# KiCad board Leopold Replacement.kicad_pcb (continued)
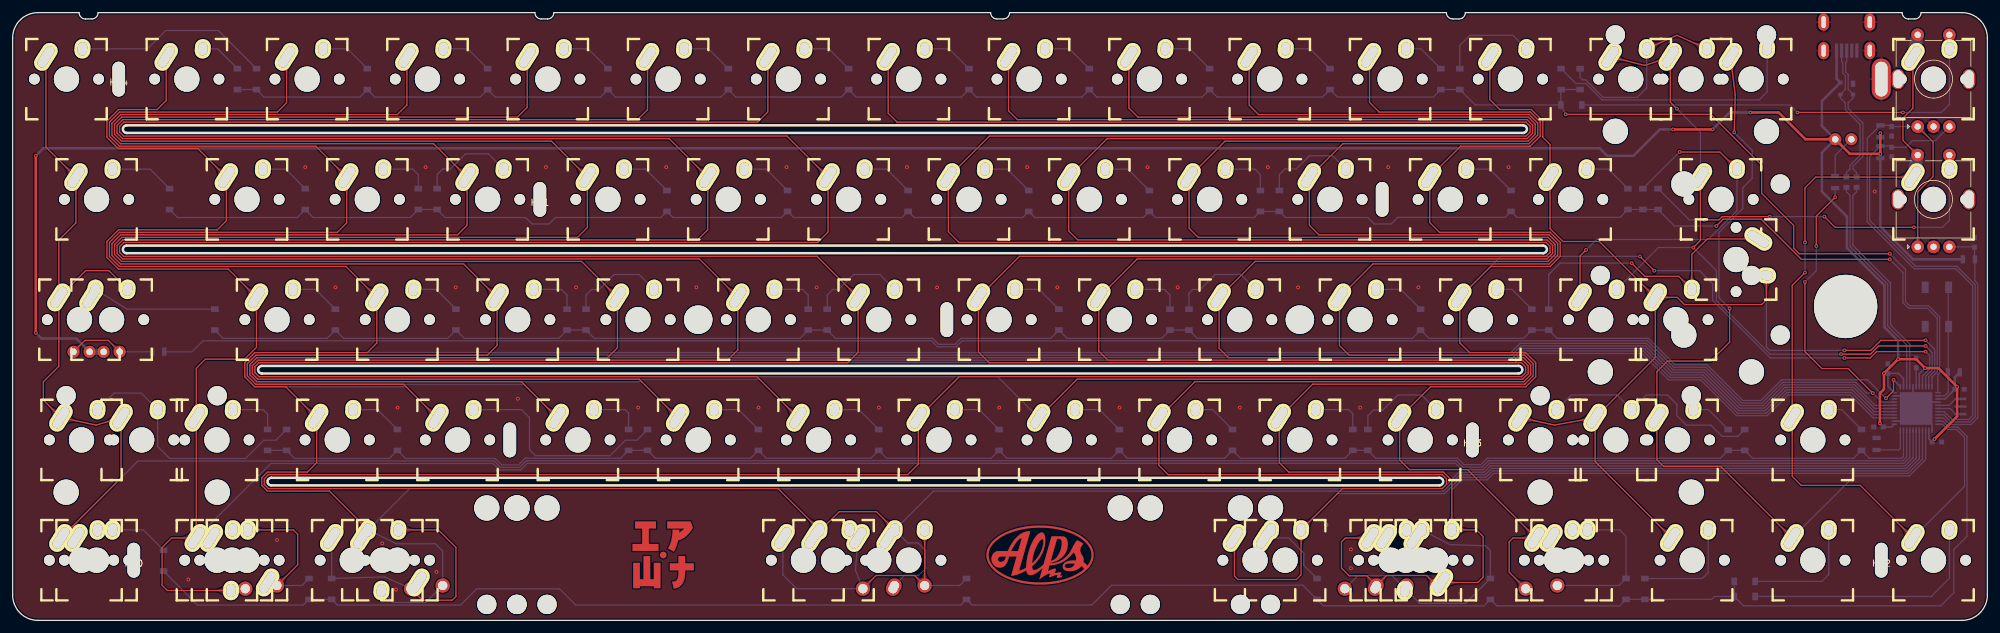
[diagram p0: board, top side]
## Copper pours and planes (outline as drawn; the poured copper is in the pictures) (continued)
Col3 on Top: 69.75,71.95 69.8,71.89 69.85,71.84 69.9,71.79 69.95,71.73 69.99,71.67 70.04,71.62 70.08,71.56 70.12,71.5 70.16,71.44 70.19,71.39 70.23,71.33 70.26,71.27 70.29,71.2 70.32,71.14 70.34,71.08 70.37,71.02 70.39,70.95 70.41,70.89 70.43,70.82 70.45,70.76 70.47,70.69 70.48,70.63 70.5,70.56 70.51,70.49 70.52,70.42 70.52,70.35 70.53,70.28 70.53,70.21 70.53,70.14 70.54,70.07 72.23,69.61 71.77,71.31 71.7,71.31 71.63,71.31 71.56,71.31 71.49,71.32 71.42,71.32 71.35,71.33 71.28,71.34 71.21,71.36 71.15,71.37 71.08,71.39 71.02,71.41 70.95,71.43 70.89,71.45 70.82,71.47 70.76,71.5 70.7,71.52 70.64,71.55 70.57,71.58 70.51,71.61 70.45,71.65 70.4,71.68 70.34,71.72 70.28,71.76 70.22,71.8 70.17,71.85 70.11,71.89 70.05,71.94 70,71.99 69.95,72.04 69.89,72.09
Col3 on Top: 62.38,86.29 62.38,86.36 62.38,86.44 62.39,86.51 62.39,86.58 62.4,86.65 62.41,86.72 62.42,86.79 62.44,86.86 62.45,86.93 62.47,87 62.48,87.06 62.5,87.13 62.53,87.19 62.55,87.26 62.57,87.32 62.6,87.38 62.63,87.45 62.66,87.51 62.69,87.57 62.72,87.63 62.76,87.68 62.8,87.74 62.84,87.8 62.88,87.85 62.92,87.91 62.96,87.96 63.01,88.02 63.06,88.07 63.1,88.12 63.16,88.17 62.28,89.69 61.41,88.17 61.46,88.12 61.5,88.07 61.55,88.02 61.6,87.96 61.64,87.91 61.68,87.85 61.72,87.8 61.76,87.74 61.8,87.68 61.84,87.63 61.87,87.57 61.9,87.51 61.93,87.45 61.96,87.38 61.99,87.32 62.01,87.26 62.03,87.19 62.06,87.13 62.08,87.06 62.09,87 62.11,86.93 62.12,86.86 62.14,86.79 62.15,86.72 62.16,86.65 62.17,86.58 62.17,86.51 62.18,86.44 62.18,86.36 62.18,86.29
Col3 on Bottom: 65,33.93 65.05,33.87 65.1,33.82 65.15,33.77 65.2,33.71 65.24,33.65 65.28,33.6 65.33,33.54 65.37,33.48 65.4,33.42 65.44,33.37 65.47,33.31 65.51,33.25 65.54,33.18 65.56,33.12 65.59,33.06 65.62,33 65.64,32.93 65.66,32.87 65.68,32.8 65.7,32.74 65.72,32.67 65.73,32.61 65.74,32.54 65.75,32.47 65.76,32.4 65.77,32.33 65.78,32.26 65.78,32.19 65.78,32.12 65.78,32.05 67.47,31.59 67.02,33.29 66.95,33.29 66.88,33.29 66.81,33.29 66.74,33.3 66.67,33.3 66.6,33.31 66.53,33.32 66.46,33.34 66.4,33.35 66.33,33.37 66.26,33.39 66.2,33.41 66.13,33.43 66.07,33.45 66.01,33.48 65.95,33.5 65.88,33.53 65.82,33.56 65.76,33.59 65.7,33.63 65.64,33.66 65.58,33.7 65.53,33.74 65.47,33.78 65.41,33.83 65.36,33.87 65.3,33.92 65.25,33.97 65.19,34.02 65.14,34.07
Col4 on Top: 84.01,33.93 84.06,33.87 84.11,33.82 84.16,33.77 84.21,33.71 84.25,33.65 84.29,33.6 84.34,33.54 84.38,33.48 84.41,33.42 84.45,33.37 84.48,33.31 84.52,33.25 84.55,33.18 84.57,33.12 84.6,33.06 84.63,33 84.65,32.93 84.67,32.87 84.69,32.8 84.71,32.74 84.73,32.67 84.74,32.61 84.75,32.54 84.76,32.47 84.77,32.4 84.78,32.33 84.79,32.26 84.79,32.19 84.79,32.12 84.79,32.05 86.48,31.59 86.03,33.29 85.96,33.29 85.89,33.29 85.82,33.29 85.75,33.3 85.68,33.3 85.61,33.31 85.54,33.32 85.47,33.34 85.41,33.35 85.34,33.37 85.27,33.39 85.21,33.41 85.14,33.43 85.08,33.45 85.02,33.48 84.96,33.5 84.89,33.53 84.83,33.56 84.77,33.59 84.71,33.63 84.65,33.66 84.59,33.7 84.54,33.74 84.48,33.78 84.42,33.83 84.37,33.87 84.31,33.92 84.26,33.97 84.2,34.02 84.15,34.07
Col4 on Top: 95.65,48.27 95.65,48.34 95.65,48.42 95.66,48.49 95.66,48.56 95.67,48.63 95.68,48.7 95.69,48.77 95.7,48.84 95.72,48.91 95.73,48.98 95.75,49.04 95.77,49.11 95.79,49.17 95.82,49.24 95.84,49.3 95.87,49.36 95.9,49.43 95.93,49.49 95.96,49.55 95.99,49.61 96.03,49.66 96.06,49.72 96.1,49.78 96.14,49.83 96.19,49.89 96.23,49.94 96.28,50 96.32,50.05 96.37,50.1 96.42,50.15 95.55,51.67 94.67,50.15 94.72,50.1 94.77,50.05 94.82,50 94.87,49.94 94.91,49.89 94.95,49.83 94.99,49.78 95.03,49.72 95.07,49.66 95.1,49.61 95.14,49.55 95.17,49.49 95.2,49.43 95.23,49.36 95.25,49.3 95.28,49.24 95.3,49.17 95.32,49.11 95.34,49.04 95.36,48.98 95.38,48.91 95.39,48.84 95.41,48.77 95.42,48.7 95.43,48.63 95.43,48.56 95.44,48.49 95.44,48.42 95.45,48.34 95.45,48.27
Col4 on Top: 93.51,52.94 93.57,52.88 93.62,52.83 93.66,52.78 93.71,52.72 93.76,52.66 93.8,52.61 93.84,52.55 93.88,52.49 93.92,52.43 93.95,52.38 93.99,52.32 94.02,52.26 94.05,52.19 94.08,52.13 94.11,52.07 94.13,52.01 94.16,51.94 94.18,51.88 94.2,51.81 94.22,51.75 94.23,51.68 94.25,51.62 94.26,51.55 94.27,51.48 94.28,51.41 94.29,51.34 94.29,51.27 94.3,51.2 94.3,51.13 94.3,51.06 95.99,50.6 95.53,52.3 95.46,52.3 95.39,52.3 95.32,52.3 95.25,52.31 95.18,52.31 95.11,52.32 95.04,52.33 94.98,52.35 94.91,52.36 94.84,52.38 94.78,52.4 94.71,52.42 94.65,52.44 94.59,52.46 94.52,52.49 94.46,52.51 94.4,52.54 94.34,52.57 94.28,52.6 94.22,52.64 94.16,52.67 94.1,52.71 94.04,52.75 93.98,52.79 93.93,52.84 93.87,52.88 93.82,52.93 93.76,52.98 93.71,53.03 93.66,53.08
Col4 on Top: 90.89,67.28 90.9,67.35 90.9,67.43 90.9,67.5 90.91,67.57 90.92,67.64 90.93,67.71 90.94,67.78 90.95,67.85 90.96,67.92 90.98,67.99 91,68.05 91.02,68.12 91.04,68.18 91.06,68.25 91.09,68.31 91.12,68.37 91.14,68.44 91.17,68.5 91.21,68.56 91.24,68.62 91.27,68.67 91.31,68.73 91.35,68.79 91.39,68.84 91.43,68.9 91.48,68.95 91.52,69.01 91.57,69.06 91.62,69.11 91.67,69.16 90.8,70.68 89.92,69.16 89.97,69.11 90.02,69.06 90.07,69.01 90.11,68.95 90.16,68.9 90.2,68.84 90.24,68.79 90.28,68.73 90.32,68.67 90.35,68.62 90.38,68.56 90.42,68.5 90.45,68.44 90.47,68.37 90.5,68.31 90.53,68.25 90.55,68.18 90.57,68.12 90.59,68.05 90.61,67.99 90.63,67.92 90.64,67.85 90.65,67.78 90.66,67.71 90.67,67.64 90.68,67.57 90.69,67.5 90.69,67.43 90.69,67.35 90.69,67.28
Col4 on Top: 88.76,71.95 88.81,71.89 88.86,71.84 88.91,71.79 88.96,71.73 89,71.67 89.05,71.62 89.09,71.56 89.13,71.5 89.17,71.44 89.2,71.39 89.24,71.33 89.27,71.27 89.3,71.2 89.33,71.14 89.35,71.08 89.38,71.02 89.4,70.95 89.42,70.89 89.44,70.82 89.46,70.76 89.48,70.69 89.49,70.63 89.51,70.56 89.52,70.49 89.53,70.42 89.53,70.35 89.54,70.28 89.54,70.21 89.54,70.14 89.55,70.07 91.24,69.61 90.78,71.31 90.71,71.31 90.64,71.31 90.57,71.31 90.5,71.32 90.43,71.32 90.36,71.33 90.29,71.34 90.22,71.36 90.16,71.37 90.09,71.39 90.03,71.41 89.96,71.43 89.9,71.45 89.83,71.47 89.77,71.5 89.71,71.52 89.65,71.55 89.58,71.58 89.52,71.61 89.46,71.65 89.41,71.68 89.35,71.72 89.29,71.76 89.23,71.8 89.18,71.85 89.12,71.89 89.06,71.94 89.01,71.99 88.96,72.04 88.9,72.09
Col4 on Top: 81.39,86.29 81.39,86.36 81.39,86.44 81.4,86.51 81.4,86.58 81.41,86.65 81.42,86.72 81.43,86.79 81.45,86.86 81.46,86.93 81.48,87 81.49,87.06 81.51,87.13 81.54,87.19 81.56,87.26 81.58,87.32 81.61,87.38 81.64,87.45 81.67,87.51 81.7,87.57 81.73,87.63 81.77,87.68 81.81,87.74 81.85,87.8 81.89,87.85 81.93,87.91 81.97,87.96 82.02,88.02 82.07,88.07 82.11,88.12 82.17,88.17 81.29,89.69 80.42,88.17 80.47,88.12 80.51,88.07 80.56,88.02 80.61,87.96 80.65,87.91 80.69,87.85 80.73,87.8 80.77,87.74 80.81,87.68 80.85,87.63 80.88,87.57 80.91,87.51 80.94,87.45 80.97,87.38 81,87.32 81.02,87.26 81.04,87.19 81.07,87.13 81.09,87.06 81.1,87 81.12,86.93 81.13,86.86 81.15,86.79 81.16,86.72 81.17,86.65 81.18,86.58 81.18,86.51 81.19,86.44 81.19,86.36 81.19,86.29
Col4 on Bottom: 84.01,33.93 84.06,33.87 84.11,33.82 84.16,33.77 84.21,33.71 84.25,33.65 84.29,33.6 84.34,33.54 84.38,33.48 84.41,33.42 84.45,33.37 84.48,33.31 84.52,33.25 84.55,33.18 84.57,33.12 84.6,33.06 84.63,33 84.65,32.93 84.67,32.87 84.69,32.8 84.71,32.74 84.73,32.67 84.74,32.61 84.75,32.54 84.76,32.47 84.77,32.4 84.78,32.33 84.79,32.26 84.79,32.19 84.79,32.12 84.79,32.05 86.48,31.59 86.03,33.29 85.96,33.29 85.89,33.29 85.82,33.29 85.75,33.3 85.68,33.3 85.61,33.31 85.54,33.32 85.47,33.34 85.41,33.35 85.34,33.37 85.27,33.39 85.21,33.41 85.14,33.43 85.08,33.45 85.02,33.48 84.96,33.5 84.89,33.53 84.83,33.56 84.77,33.59 84.71,33.63 84.65,33.66 84.59,33.7 84.54,33.74 84.48,33.78 84.42,33.83 84.37,33.87 84.31,33.92 84.26,33.97 84.2,34.02 84.15,34.07
Col5 on Top: 103.02,33.93 103.07,33.87 103.12,33.82 103.17,33.77 103.22,33.71 103.26,33.65 103.3,33.6 103.35,33.54 103.39,33.48 103.42,33.42 103.46,33.37 103.49,33.31 103.53,33.25 103.56,33.18 103.58,33.12 103.61,33.06 103.64,33 103.66,32.93 103.68,32.87 103.7,32.8 103.72,32.74 103.74,32.67 103.75,32.61 103.76,32.54 103.77,32.47 103.78,32.4 103.79,32.33 103.8,32.26 103.8,32.19 103.8,32.12 103.8,32.05 105.49,31.59 105.04,33.29 104.97,33.29 104.9,33.29 104.83,33.29 104.76,33.3 104.69,33.3 104.62,33.31 104.55,33.32 104.48,33.34 104.42,33.35 104.35,33.37 104.28,33.39 104.22,33.41 104.15,33.43 104.09,33.45 104.03,33.48 103.97,33.5 103.9,33.53 103.84,33.56 103.78,33.59 103.72,33.63 103.66,33.66 103.6,33.7 103.55,33.74 103.49,33.78 103.43,33.83 103.38,33.87 103.32,33.92 103.27,33.97 103.21,34.02 103.16,34.07
Col5 on Top: 114.66,48.27 114.66,48.34 114.66,48.42 114.67,48.49 114.67,48.56 114.68,48.63 114.69,48.7 114.7,48.77 114.71,48.84 114.73,48.91 114.74,48.98 114.76,49.04 114.78,49.11 114.8,49.17 114.83,49.24 114.85,49.3 114.88,49.36 114.91,49.43 114.94,49.49 114.97,49.55 115,49.61 115.04,49.66 115.07,49.72 115.11,49.78 115.15,49.83 115.2,49.89 115.24,49.94 115.29,50 115.33,50.05 115.38,50.1 115.43,50.15 114.56,51.67 113.68,50.15 113.73,50.1 113.78,50.05 113.83,50 113.88,49.94 113.92,49.89 113.96,49.83 114,49.78 114.04,49.72 114.08,49.66 114.11,49.61 114.15,49.55 114.18,49.49 114.21,49.43 114.24,49.36 114.26,49.3 114.29,49.24 114.31,49.17 114.33,49.11 114.35,49.04 114.37,48.98 114.39,48.91 114.4,48.84 114.42,48.77 114.43,48.7 114.44,48.63 114.44,48.56 114.45,48.49 114.45,48.42 114.46,48.34 114.46,48.27
Col5 on Top: 112.52,52.94 112.58,52.88 112.63,52.83 112.67,52.78 112.72,52.72 112.77,52.66 112.81,52.61 112.85,52.55 112.89,52.49 112.93,52.43 112.96,52.38 113,52.32 113.03,52.26 113.06,52.19 113.09,52.13 113.12,52.07 113.14,52.01 113.17,51.94 113.19,51.88 113.21,51.81 113.23,51.75 113.24,51.68 113.26,51.62 113.27,51.55 113.28,51.48 113.29,51.41 113.3,51.34 113.3,51.27 113.31,51.2 113.31,51.13 113.31,51.06 115,50.6 114.55,52.3 114.47,52.3 114.4,52.3 114.33,52.3 114.26,52.31 114.19,52.31 114.12,52.32 114.05,52.33 113.99,52.35 113.92,52.36 113.85,52.38 113.79,52.4 113.72,52.42 113.66,52.44 113.6,52.46 113.53,52.49 113.47,52.51 113.41,52.54 113.35,52.57 113.29,52.6 113.23,52.64 113.17,52.67 113.11,52.71 113.05,52.75 112.99,52.79 112.94,52.84 112.88,52.88 112.83,52.93 112.77,52.98 112.72,53.03 112.67,53.08
Col5 on Top: 109.91,67.28 109.91,67.35 109.91,67.43 109.91,67.5 109.92,67.57 109.93,67.64 109.94,67.71 109.95,67.78 109.96,67.85 109.97,67.92 109.99,67.99 110.01,68.05 110.03,68.12 110.05,68.18 110.07,68.25 110.1,68.31 110.13,68.37 110.15,68.44 110.18,68.5 110.22,68.56 110.25,68.62 110.28,68.67 110.32,68.73 110.36,68.79 110.4,68.84 110.44,68.9 110.49,68.95 110.53,69.01 110.58,69.06 110.63,69.11 110.68,69.16 109.81,70.68 108.93,69.16 108.98,69.11 109.03,69.06 109.08,69.01 109.12,68.95 109.17,68.9 109.21,68.84 109.25,68.79 109.29,68.73 109.33,68.67 109.36,68.62 109.39,68.56 109.43,68.5 109.46,68.44 109.48,68.37 109.51,68.31 109.54,68.25 109.56,68.18 109.58,68.12 109.6,68.05 109.62,67.99 109.64,67.92 109.65,67.85 109.66,67.78 109.67,67.71 109.68,67.64 109.69,67.57 109.7,67.5 109.7,67.43 109.7,67.35 109.7,67.28
Col5 on Top: 107.77,71.95 107.82,71.89 107.87,71.84 107.92,71.79 107.97,71.73 108.01,71.67 108.06,71.62 108.1,71.56 108.14,71.5 108.18,71.44 108.21,71.39 108.25,71.33 108.28,71.27 108.31,71.2 108.34,71.14 108.36,71.08 108.39,71.02 108.41,70.95 108.43,70.89 108.45,70.82 108.47,70.76 108.49,70.69 108.5,70.63 108.52,70.56 108.53,70.49 108.54,70.42 108.54,70.35 108.55,70.28 108.55,70.21 108.55,70.14 108.56,70.07 110.25,69.61 109.79,71.31 109.72,71.31 109.65,71.31 109.58,71.31 109.51,71.32 109.44,71.32 109.37,71.33 109.3,71.34 109.23,71.36 109.17,71.37 109.1,71.39 109.04,71.41 108.97,71.43 108.91,71.45 108.84,71.47 108.78,71.5 108.72,71.52 108.66,71.55 108.59,71.58 108.53,71.61 108.47,71.65 108.42,71.68 108.36,71.72 108.3,71.76 108.24,71.8 108.19,71.85 108.13,71.89 108.07,71.94 108.02,71.99 107.97,72.04 107.91,72.09
Col5 on Top: 100.4,86.29 100.4,86.36 100.4,86.44 100.41,86.51 100.41,86.58 100.42,86.65 100.43,86.72 100.44,86.79 100.46,86.86 100.47,86.93 100.49,87 100.5,87.06 100.52,87.13 100.55,87.19 100.57,87.26 100.59,87.32 100.62,87.38 100.65,87.45 100.68,87.51 100.71,87.57 100.74,87.63 100.78,87.68 100.82,87.74 100.86,87.8 100.9,87.85 100.94,87.91 100.98,87.96 101.03,88.02 101.08,88.07 101.12,88.12 101.17,88.17 100.3,89.69 99.42,88.17 99.48,88.12 99.52,88.07 99.57,88.02 99.62,87.96 99.66,87.91 99.7,87.85 99.74,87.8 99.78,87.74 99.82,87.68 99.86,87.63 99.89,87.57 99.92,87.51 99.95,87.45 99.98,87.38 100.01,87.32 100.03,87.26 100.05,87.19 100.08,87.13 100.1,87.06 100.11,87 100.13,86.93 100.14,86.86 100.16,86.79 100.17,86.72 100.18,86.65 100.19,86.58 100.19,86.51 100.2,86.44 100.2,86.36 100.2,86.29
Col5 on Bottom: 103.02,33.93 103.07,33.87 103.12,33.82 103.17,33.77 103.22,33.71 103.26,33.65 103.3,33.6 103.35,33.54 103.39,33.48 103.42,33.42 103.46,33.37 103.49,33.31 103.53,33.25 103.56,33.18 103.58,33.12 103.61,33.06 103.64,33 103.66,32.93 103.68,32.87 103.7,32.8 103.72,32.74 103.74,32.67 103.75,32.61 103.76,32.54 103.77,32.47 103.78,32.4 103.79,32.33 103.8,32.26 103.8,32.19 103.8,32.12 103.8,32.05 105.49,31.59 105.04,33.29 104.97,33.29 104.9,33.29 104.83,33.29 104.76,33.3 104.69,33.3 104.62,33.31 104.55,33.32 104.48,33.34 104.42,33.35 104.35,33.37 104.28,33.39 104.22,33.41 104.15,33.43 104.09,33.45 104.03,33.48 103.97,33.5 103.9,33.53 103.84,33.56 103.78,33.59 103.72,33.63 103.66,33.66 103.6,33.7 103.55,33.74 103.49,33.78 103.43,33.83 103.38,33.87 103.32,33.92 103.27,33.97 103.21,34.02 103.16,34.07
Col6 on Top: 122.03,33.93 122.08,33.87 122.13,33.82 122.18,33.77 122.23,33.71 122.27,33.65 122.31,33.6 122.36,33.54 122.4,33.48 122.43,33.42 122.47,33.37 122.5,33.31 122.54,33.25 122.57,33.18 122.59,33.12 122.62,33.06 122.65,33 122.67,32.93 122.69,32.87 122.71,32.8 122.73,32.74 122.75,32.67 122.76,32.61 122.77,32.54 122.78,32.47 122.79,32.4 122.8,32.33 122.81,32.26 122.81,32.19 122.81,32.12 122.81,32.05 124.5,31.59 124.05,33.29 123.98,33.29 123.91,33.29 123.84,33.29 123.77,33.3 123.7,33.3 123.63,33.31 123.56,33.32 123.49,33.34 123.43,33.35 123.36,33.37 123.29,33.39 123.23,33.41 123.16,33.43 123.1,33.45 123.04,33.48 122.98,33.5 122.91,33.53 122.85,33.56 122.79,33.59 122.73,33.63 122.67,33.66 122.61,33.7 122.56,33.74 122.5,33.78 122.44,33.83 122.39,33.87 122.33,33.92 122.28,33.97 122.22,34.02 122.17,34.07
Col6 on Top: 133.67,48.27 133.67,48.34 133.67,48.42 133.68,48.49 133.68,48.56 133.69,48.63 133.7,48.7 133.71,48.77 133.72,48.84 133.74,48.91 133.75,48.98 133.77,49.04 133.79,49.11 133.81,49.17 133.84,49.24 133.86,49.3 133.89,49.36 133.92,49.43 133.95,49.49 133.98,49.55 134.01,49.61 134.05,49.66 134.08,49.72 134.12,49.78 134.16,49.83 134.21,49.89 134.25,49.94 134.3,50 134.34,50.05 134.39,50.1 134.44,50.15 133.57,51.67 132.69,50.15 132.74,50.1 132.79,50.05 132.84,50 132.89,49.94 132.93,49.89 132.97,49.83 133.01,49.78 133.05,49.72 133.09,49.66 133.12,49.61 133.16,49.55 133.19,49.49 133.22,49.43 133.25,49.36 133.27,49.3 133.3,49.24 133.32,49.17 133.34,49.11 133.36,49.04 133.38,48.98 133.4,48.91 133.41,48.84 133.43,48.77 133.44,48.7 133.45,48.63 133.45,48.56 133.46,48.49 133.46,48.42 133.47,48.34 133.47,48.27
Col6 on Top: 131.53,52.94 131.59,52.88 131.64,52.83 131.68,52.78 131.73,52.72 131.78,52.66 131.82,52.61 131.86,52.55 131.9,52.49 131.94,52.43 131.97,52.38 132.01,52.32 132.04,52.26 132.07,52.19 132.1,52.13 132.13,52.07 132.15,52.01 132.18,51.94 132.2,51.88 132.22,51.81 132.24,51.75 132.25,51.68 132.27,51.62 132.28,51.55 132.29,51.48 132.3,51.41 132.31,51.34 132.31,51.27 132.32,51.2 132.32,51.13 132.32,51.06 134.01,50.6 133.56,52.3 133.48,52.3 133.41,52.3 133.34,52.3 133.27,52.31 133.2,52.31 133.13,52.32 133.06,52.33 133,52.35 132.93,52.36 132.86,52.38 132.8,52.4 132.73,52.42 132.67,52.44 132.61,52.46 132.54,52.49 132.48,52.51 132.42,52.54 132.36,52.57 132.3,52.6 132.24,52.64 132.18,52.67 132.12,52.71 132.06,52.75 132,52.79 131.95,52.84 131.89,52.88 131.84,52.93 131.78,52.98 131.73,53.03 131.68,53.08
Col6 on Top: 128.91,67.28 128.92,67.35 128.92,67.43 128.92,67.5 128.93,67.57 128.94,67.64 128.95,67.71 128.96,67.78 128.97,67.85 128.98,67.92 129,67.99 129.02,68.05 129.04,68.12 129.06,68.18 129.08,68.25 129.11,68.31 129.14,68.37 129.16,68.44 129.19,68.5 129.23,68.56 129.26,68.62 129.29,68.67 129.33,68.73 129.37,68.79 129.41,68.84 129.45,68.9 129.5,68.95 129.54,69.01 129.59,69.06 129.64,69.11 129.69,69.16 128.81,70.68 127.94,69.16 127.99,69.11 128.04,69.06 128.09,69.01 128.13,68.95 128.18,68.9 128.22,68.84 128.26,68.79 128.3,68.73 128.34,68.67 128.37,68.62 128.4,68.56 128.44,68.5 128.47,68.44 128.49,68.37 128.52,68.31 128.55,68.25 128.57,68.18 128.59,68.12 128.61,68.05 128.63,67.99 128.65,67.92 128.66,67.85 128.67,67.78 128.68,67.71 128.69,67.64 128.7,67.57 128.71,67.5 128.71,67.43 128.71,67.35 128.72,67.28
Col6 on Top: 126.78,71.95 126.83,71.89 126.88,71.84 126.93,71.79 126.98,71.73 127.02,71.67 127.07,71.62 127.11,71.56 127.15,71.5 127.19,71.44 127.22,71.39 127.26,71.33 127.29,71.27 127.32,71.2 127.35,71.14 127.37,71.08 127.4,71.02 127.42,70.95 127.44,70.89 127.46,70.82 127.48,70.76 127.5,70.69 127.51,70.63 127.53,70.56 127.54,70.49 127.55,70.42 127.55,70.35 127.56,70.28 127.56,70.21 127.56,70.14 127.57,70.07 129.26,69.61 128.8,71.31 128.73,71.31 128.66,71.31 128.59,71.31 128.52,71.32 128.45,71.32 128.38,71.33 128.31,71.34 128.24,71.36 128.18,71.37 128.11,71.39 128.05,71.41 127.98,71.43 127.92,71.45 127.85,71.47 127.79,71.5 127.73,71.52 127.67,71.55 127.6,71.58 127.54,71.61 127.48,71.65 127.43,71.68 127.37,71.72 127.31,71.76 127.25,71.8 127.2,71.85 127.14,71.89 127.08,71.94 127.03,71.99 126.98,72.04 126.92,72.09
Col6 on Top: 119.41,86.29 119.41,86.36 119.41,86.44 119.42,86.51 119.42,86.58 119.43,86.65 119.44,86.72 119.45,86.79 119.47,86.86 119.48,86.93 119.5,87 119.51,87.06 119.53,87.13 119.56,87.19 119.58,87.26 119.6,87.32 119.63,87.38 119.66,87.45 119.69,87.51 119.72,87.57 119.75,87.63 119.79,87.68 119.83,87.74 119.87,87.8 119.91,87.85 119.95,87.91 119.99,87.96 120.04,88.02 120.09,88.07 120.13,88.12 120.19,88.17 119.31,89.69 118.44,88.17 118.49,88.12 118.53,88.07 118.58,88.02 118.63,87.96 118.67,87.91 118.71,87.85 118.75,87.8 118.79,87.74 118.83,87.68 118.87,87.63 118.9,87.57 118.93,87.51 118.96,87.45 118.99,87.38 119.02,87.32 119.04,87.26 119.06,87.19 119.09,87.13 119.11,87.06 119.12,87 119.14,86.93 119.15,86.86 119.17,86.79 119.18,86.72 119.19,86.65 119.2,86.58 119.2,86.51 119.21,86.44 119.21,86.36 119.21,86.29
Col6 on Bottom: 122.03,33.93 122.08,33.87 122.13,33.82 122.18,33.77 122.23,33.71 122.27,33.65 122.31,33.6 122.36,33.54 122.4,33.48 122.43,33.42 122.47,33.37 122.5,33.31 122.54,33.25 122.57,33.18 122.59,33.12 122.62,33.06 122.65,33 122.67,32.93 122.69,32.87 122.71,32.8 122.73,32.74 122.75,32.67 122.76,32.61 122.77,32.54 122.78,32.47 122.79,32.4 122.8,32.33 122.81,32.26 122.81,32.19 122.81,32.12 122.81,32.05 124.5,31.59 124.05,33.29 123.98,33.29 123.91,33.29 123.84,33.29 123.77,33.3 123.7,33.3 123.63,33.31 123.56,33.32 123.49,33.34 123.43,33.35 123.36,33.37 123.29,33.39 123.23,33.41 123.16,33.43 123.1,33.45 123.04,33.48 122.98,33.5 122.91,33.53 122.85,33.56 122.79,33.59 122.73,33.63 122.67,33.66 122.61,33.7 122.56,33.74 122.5,33.78 122.44,33.83 122.39,33.87 122.33,33.92 122.28,33.97 122.22,34.02 122.17,34.07
Col7 on Top: 125.43,16.19 125.48,16.13 125.53,16.08 125.58,16.03 125.62,15.97 125.67,15.91 125.71,15.86 125.75,15.8 125.79,15.74 125.83,15.68 125.87,15.63 125.9,15.57 125.93,15.51 125.96,15.44 125.99,15.38 126.02,15.32 126.05,15.26 126.07,15.19 126.09,15.13 126.11,15.06 126.13,15 126.15,14.93 126.16,14.87 126.17,14.8 126.18,14.73 126.19,14.66 126.2,14.59 126.21,14.52 126.21,14.45 126.21,14.38 126.21,14.31 127.9,13.85 127.45,15.55 127.38,15.55 127.31,15.55 127.23,15.55 127.16,15.56 127.09,15.56 127.03,15.57 126.96,15.58 126.89,15.6 126.82,15.61 126.76,15.63 126.69,15.65 126.63,15.67 126.56,15.69 126.5,15.71 126.44,15.74 126.37,15.76 126.31,15.79 126.25,15.82 126.19,15.85 126.13,15.89 126.07,15.92 126.01,15.96 125.96,16 125.9,16.04 125.84,16.09 125.79,16.13 125.73,16.18 125.68,16.23 125.62,16.28 125.57,16.33
Col7 on Top: 143.17,29.26 143.17,29.33 143.18,29.41 143.18,29.48 143.19,29.55 143.19,29.62 143.2,29.69 143.21,29.76 143.23,29.83 143.24,29.9 143.26,29.97 143.28,30.03 143.3,30.1 143.32,30.16 143.34,30.23 143.37,30.29 143.39,30.35 143.42,30.42 143.45,30.48 143.48,30.54 143.52,30.6 143.55,30.65 143.59,30.71 143.63,30.77 143.67,30.82 143.71,30.88 143.75,30.93 143.8,30.99 143.85,31.04 143.9,31.09 143.95,31.14 143.07,32.66 142.2,31.14 142.25,31.09 142.3,31.04 142.34,30.99 142.39,30.93 142.43,30.88 142.48,30.82 142.52,30.77 142.56,30.71 142.59,30.65 142.63,30.6 142.66,30.54 142.69,30.48 142.72,30.42 142.75,30.35 142.78,30.29 142.8,30.23 142.83,30.16 142.85,30.1 142.87,30.03 142.89,29.97 142.9,29.9 142.92,29.83 142.93,29.76 142.94,29.69 142.95,29.62 142.96,29.55 142.96,29.48 142.97,29.41 142.97,29.33 142.97,29.26
Col7 on Top: 144.96,34.07 144.91,34.02 144.86,33.97 144.8,33.92 144.75,33.87 144.69,33.83 144.64,33.78 144.58,33.74 144.52,33.7 144.46,33.66 144.4,33.63 144.34,33.59 144.28,33.56 144.22,33.53 144.16,33.5 144.1,33.48 144.03,33.45 143.97,33.43 143.91,33.41 143.84,33.39 143.78,33.37 143.71,33.35 143.64,33.34 143.58,33.32 143.51,33.31 143.44,33.3 143.37,33.3 143.3,33.29 143.23,33.29 143.16,33.29 143.09,33.29 142.63,31.59 144.32,32.05 144.32,32.12 144.32,32.19 144.33,32.26 144.33,32.33 144.34,32.4 144.35,32.47 144.36,32.54 144.37,32.61 144.39,32.67 144.4,32.74 144.42,32.8 144.44,32.87 144.46,32.93 144.49,33 144.51,33.06 144.54,33.12 144.57,33.18 144.6,33.25 144.63,33.31 144.67,33.37 144.7,33.42 144.74,33.48 144.78,33.54 144.82,33.6 144.86,33.65 144.91,33.71 144.96,33.77 145,33.82 145.05,33.87 145.11,33.93
Col7 on Top: 152.68,48.27 152.68,48.34 152.68,48.42 152.69,48.49 152.69,48.56 152.7,48.63 152.71,48.7 152.72,48.77 152.73,48.84 152.75,48.91 152.76,48.98 152.78,49.04 152.8,49.11 152.82,49.17 152.85,49.24 152.87,49.3 152.9,49.36 152.93,49.43 152.96,49.49 152.99,49.55 153.02,49.61 153.06,49.66 153.09,49.72 153.13,49.78 153.17,49.83 153.22,49.89 153.26,49.94 153.31,50 153.35,50.05 153.4,50.1 153.45,50.15 152.58,51.67 151.7,50.15 151.75,50.1 151.8,50.05 151.85,50 151.9,49.94 151.94,49.89 151.98,49.83 152.02,49.78 152.06,49.72 152.1,49.66 152.13,49.61 152.17,49.55 152.2,49.49 152.23,49.43 152.26,49.36 152.28,49.3 152.31,49.24 152.33,49.17 152.35,49.11 152.37,49.04 152.39,48.98 152.41,48.91 152.42,48.84 152.44,48.77 152.45,48.7 152.46,48.63 152.46,48.56 152.47,48.49 152.47,48.42 152.48,48.34 152.48,48.27
Col7 on Top: 154.47,53.08 154.42,53.03 154.36,52.98 154.31,52.93 154.25,52.88 154.2,52.84 154.14,52.79 154.08,52.75 154.03,52.71 153.97,52.67 153.91,52.64 153.85,52.6 153.79,52.57 153.73,52.54 153.66,52.51 153.6,52.49 153.54,52.46 153.48,52.44 153.41,52.42 153.35,52.4 153.28,52.38 153.21,52.36 153.15,52.35 153.08,52.33 153.01,52.32 152.94,52.31 152.87,52.31 152.8,52.3 152.73,52.3 152.66,52.3 152.59,52.3 152.14,50.6 153.83,51.06 153.83,51.13 153.83,51.2 153.83,51.27 153.84,51.34 153.85,51.41 153.86,51.48 153.87,51.55 153.88,51.62 153.89,51.68 153.91,51.75 153.93,51.81 153.95,51.88 153.97,51.94 153.99,52.01 154.02,52.07 154.05,52.13 154.07,52.19 154.1,52.26 154.14,52.32 154.17,52.38 154.21,52.43 154.24,52.49 154.28,52.55 154.33,52.61 154.37,52.66 154.41,52.72 154.46,52.78 154.51,52.83 154.56,52.88 154.61,52.94
Col7 on Top: 147.93,67.28 147.93,67.35 147.93,67.43 147.93,67.5 147.94,67.57 147.95,67.64 147.96,67.71 147.97,67.78 147.98,67.85 147.99,67.92 148.01,67.99 148.03,68.05 148.05,68.12 148.07,68.18 148.09,68.25 148.12,68.31 148.15,68.37 148.17,68.44 148.2,68.5 148.24,68.56 148.27,68.62 148.3,68.67 148.34,68.73 148.38,68.79 148.42,68.84 148.46,68.9 148.51,68.95 148.55,69.01 148.6,69.06 148.65,69.11 148.7,69.16 147.82,70.68 146.95,69.16 147,69.11 147.05,69.06 147.1,69.01 147.14,68.95 147.19,68.9 147.23,68.84 147.27,68.79 147.31,68.73 147.35,68.67 147.38,68.62 147.41,68.56 147.45,68.5 147.48,68.44 147.5,68.37 147.53,68.31 147.56,68.25 147.58,68.18 147.6,68.12 147.62,68.05 147.64,67.99 147.66,67.92 147.67,67.85 147.68,67.78 147.69,67.71 147.7,67.64 147.71,67.57 147.72,67.5 147.72,67.43 147.72,67.35 147.72,67.28
Col7 on Top: 149.72,72.09 149.66,72.04 149.61,71.99 149.56,71.94 149.5,71.89 149.44,71.85 149.39,71.8 149.33,71.76 149.27,71.72 149.21,71.68 149.16,71.65 149.1,71.61 149.04,71.58 148.97,71.55 148.91,71.52 148.85,71.5 148.79,71.47 148.72,71.45 148.66,71.43 148.59,71.41 148.53,71.39 148.46,71.37 148.4,71.36 148.33,71.34 148.26,71.33 148.19,71.32 148.12,71.32 148.05,71.31 147.98,71.31 147.91,71.31 147.84,71.31 147.38,69.61 149.07,70.07 149.08,70.14 149.08,70.21 149.08,70.28 149.09,70.35 149.09,70.42 149.1,70.49 149.11,70.56 149.13,70.63 149.14,70.69 149.16,70.76 149.18,70.82 149.2,70.89 149.22,70.95 149.24,71.02 149.27,71.08 149.29,71.14 149.32,71.2 149.35,71.27 149.38,71.33 149.42,71.39 149.45,71.44 149.49,71.5 149.53,71.56 149.57,71.62 149.62,71.67 149.66,71.73 149.71,71.79 149.76,71.84 149.81,71.89 149.86,71.95
